# KiCad board analog_i.kicad_pcb (continued)
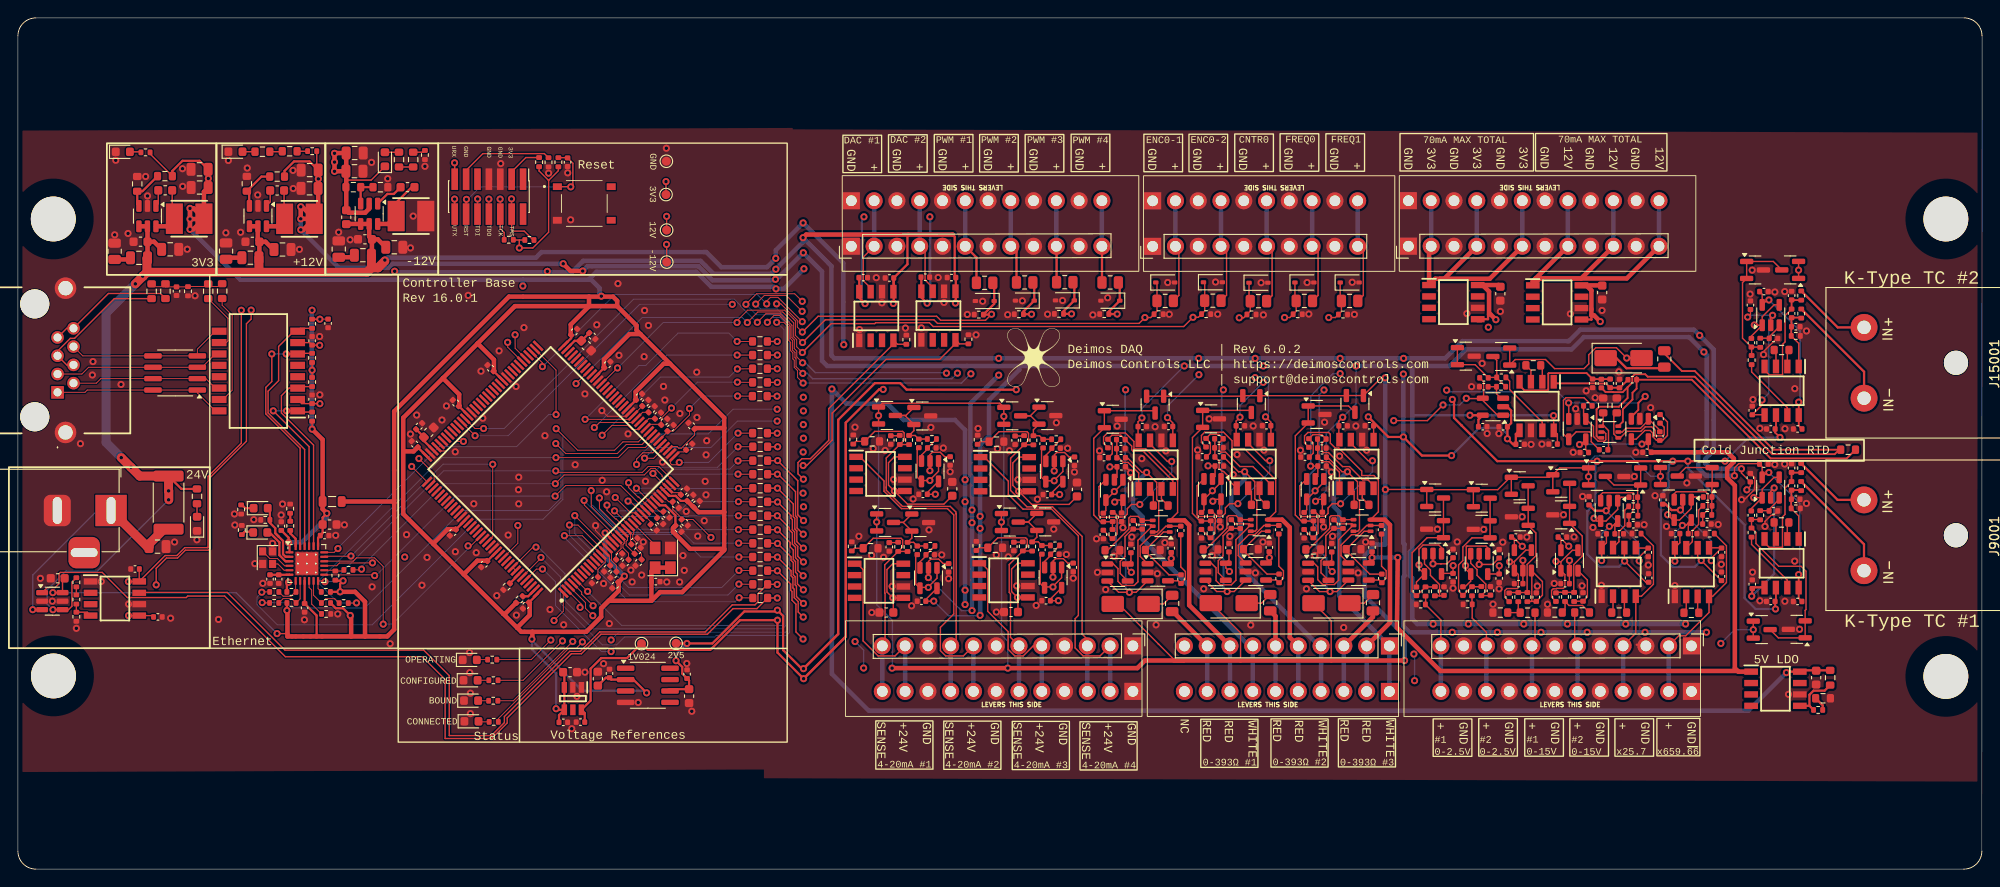
[diagram p0: board, top side]
## Routing (per net, layer and track width the routed paths; a pad name or vN(x,y) marks a point on that pad's centre or on a via; arc(x,y) is an arc through that point) (continued)
  Bottom w0.1: v1(80.37,36.38) 75.35,36.38 74.18,37.56 67.11,37.56 63.93,40.74 v1(63.93,42.24)
/base/Micro/AIN5_Filt: length 27.3
  Top w0.1: R6004.2 v1(80.35,37.88) 80.37,37.88 ; C6004.1 67.82,36.14 67.82,36.58 67.96,36.72 67.96,37.13 IC6001.20 64.85,40.24 v1(64.84,41.42) 64.85,41.41
  Bottom w0.1: v1(80.35,37.88) 74.57,37.88 74.53,37.93 67.03,37.93 64.84,40.13 v1(64.84,41.42)
/base/Micro/AIN6_Filt: length 22.7
  Top w0.1: R6005.2 v1(80.35,39.43) 80.37,39.43 ; C6005.1 68.32,36.34 68.32,37.48 IC6001.21 67.88,37.92 66.72,39.08 66.63,39.08 65.69,40.03 v1(65.69,40.62)
  Bottom w0.1: v1(65.69,40.62) 65.69,40 66.31,39.37 74.75,39.37 74.81,39.43 v1(80.35,39.43)
/base/Micro/AIN7_Filt: length 22.7
  Top w0.1: 66.54,39.96 66.52,39.98 v1(66.53,39.98) 66.53,39.97 68.23,38.27 IC6001.22 68.67,37.83 68.67,37.43 68.57,37.33 68.57,36.83 68.92,36.47 68.92,35.77 69.54,35.15 C6006.1 ; 80.35,40.98 v1(80.35,41.01) R6006.2
  Bottom w0.1: 66.53,39.93 v1(66.53,39.98) 73.81,39.98 74.83,41.01 v1(80.35,41.01) 80.34,41
/base/Micro/AIN8_Filt: length 18.6
  Top w0.1: 80.35,42.51 v1(80.35,42.48) R6009.2 ; C6009.1 70.56,38.78 IC6001.26 69.64,39.68 68.25,41.07 v1(68.04,41.07) 68.05,41.07
  Bottom w0.1: v1(68.04,41.07) 68.37,40.74 69.82,40.74 71.15,42.08 71.61,42.08 72.01,42.48 v1(80.35,42.48)
/base/Micro/AIN9_Filt: length 21.4
  Top w0.1: 68.11,43.11 v1(68.1,43.12) 68.11,42.57 69.15,41.52 69.24,41.52 69.24,41.51 IC6001.28 71.28,39.47 C6010.1 ; 80.32,44.08 80.3,44.11 v1(80.3,44.08) 80.32,44.08 ; 80.32,44.08 80.33,44.07 R6010.2
  Bottom w0.1: v1(80.3,44.08) 72.62,44.08 70.49,41.95 68.74,41.95 68.1,42.59 v1(68.1,43.12) 68.1,42.58
/base/Micro/AIN10_Filt: length 18.4
  Top w0.1: 68.97,42.49 70.71,40.75 IC6001.29 71.55,39.9 C6011.1 ; 68.97,42.49 v1(68.97,42.5) 68.96,42.5 68.97,42.49 ; R6011.2 v1(80.3,45.56) 80.3,45.58
  Bottom w0.1: v1(80.3,45.56) 79.38,44.64 72.9,44.64 70.76,42.5 v1(68.97,42.5)
/base/Micro/AIN11_Filt: length 16.5
  Top w0.1: R6012.2 v1(80.3,47.13) 80.32,47.13 ; 70.83,44.15 v1(70.82,44.16) 72.47,42.51 IC6001.34 72.98,42.01 73.71,42.01 C6012.1
  Bottom w0.1: v1(70.82,44.16) 71.5,44.84 78,44.84 v1(80.3,47.13)
/base/Micro/AIN12_Filt: length 13.4
  Top w0.1: R6013.2 v1(80.3,48.66) 80.32,48.66 ; C6013.1 74.29,46.56 73.72,46.56 IC6001.37 72.75,45.59 72.75,45.29 72.92,45.12 73.51,45.12 73.75,45.36 v1(73.75,45.39) 73.78,45.39 73.76,45.37
  Bottom w0.1: v1(73.75,45.39) 77.03,45.39 v1(80.3,48.66)
/base/Micro/AIN15_Filt: length 13
  Top w0.1: v1(74.88,51.4) 74.88,50.68 73.09,48.88 C6016.1 72.44,48.81 IC6001.42 ; 80.26,52.79 v1(80.25,52.8) R6016.2
  Bottom w0.1: v1(74.88,51.4) 76.28,52.8 v1(80.25,52.8)
/base/Micro/AIN16_Filt: length 14.6
  Top w0.1: R6017.2 v1(80.22,54.35) 80.22,54.32 ; IC6001.46 70.44,49.64 71.67,49.64 C6017.1 71.74,50.32 72.87,51.45 v1(72.88,51.45)
  Bottom w0.1: v1(80.22,54.35) 75.77,54.35 v1(72.88,51.45)
/base/Micro/AIN17_Filt: length 26.9
  Top w0.1: 65.16,48.41 65.15,48.4 v1(65.15,48.42) 66.23,49.5 68.03,49.5 68.48,49.05 69.14,49.05 IC6001.47 70.36,50.27 C6018.1 ; R6018.2 v1(80.22,55.82) 80.25,55.85
  Bottom w0.1: v1(80.22,55.82) 79.32,54.92 71.64,54.92 v1(65.15,48.42)
/base/Micro/AIN18_Filt: length 27.8
  Top w0.1: 80.22,57.37 v1(80.2,57.37) R6019.2 ; 64.29,49.27 64.28,49.26 v1(64.28,49.28) 64.3,49.28 64.85,49.84 68.51,49.84 IC6001.49 69.65,50.98 C6019.1
  Bottom w0.1: v1(64.28,49.28) 72.36,57.37 v1(80.2,57.37)
/base/Micro/AIN19_Filt: length 30.1
  Top w0.1: 63.26,50.19 v1(63.25,50.2) 65.38,50.2 68.16,50.2 IC6001.50 68.59,50.65 C6020.1 ; R6020.2 80.18,58.89 80.15,58.9 80.17,58.89 80.18,58.89
  Bottom w0.1: v1(63.25,50.2) 69.26,56.21 70.01,56.21 73.62,59.83 79.27,59.83 v1(80.2,58.9)
/base/Micro/DEBUG_RESET: length 101.2
  Top w0.1: 61.62,76.16 61.64,76.14 v1(61.65,76.14) 61.65,76.13 61.63,76.15 ; 66.63,41.46 66.61,41.48 v1(66.61,41.47) 66.62,41.47 68.33,39.76 68.86,39.76 IC6001.25 ; U7001.15 35.53,33.85 35.84,34.16 v1(39.54,34.18) 39.56,34.16 ; 49.94,72.17 49.81,72.3 ; v1(43.14,34.83) 43.13,34.75
  Top w0.15: J6001.12 49.98,74.71 v1(50.02,74.75) ; S6001.A1 61.63,76.16 v1(61.65,76.14) 61.88,76.38 61.88,78.78 C6027.2 61.26,79.4 R6028.2
  In2.Cu w0.1: v1(50.02,74.75) 50.02,66.94 52.04,64.92 52.04,63.95 61.69,54.3 61.69,47.64 66.61,42.72 v1(66.61,41.47) 66.61,41.93 65.74,42.79 62,42.79 55.84,36.63 44.94,36.63 v1(43.14,34.83) 40.19,34.83 v1(39.54,34.18)
  Bottom w0.1: v1(61.65,76.14) 51.54,76.14 50.15,74.75 v1(50.02,74.75) 50.02,74.62
/base/Micro/DEBUG_TCK/SWCLK: length 60.8
  Top w0.1: v1(53.77,74.78) 53.79,74.76 J6001.6 ; 43.92,44.92 43.91,44.94 v1(43.91,44.93) 43.91,44.93 IC6001.109
  Top w0.15: J6001.6 53.79,71.48 54.22,71.05 54.22,70.05
  In2.Cu w0.1: v1(53.77,74.78) 53.77,75.12 49.03,79.85 47.71,79.85 46.98,79.12 46.98,63.83 49.59,61.22 49.59,59.02 53.06,55.55 53.06,48.85 51.32,47.12 45.24,47.12 43.91,45.79 v1(43.91,44.93)
/base/Micro/DEBUG_TDI: length 60.8
  Top w0.1: v1(51.27,74.79) 51.25,74.77 J6001.10 ; 51.39,72.47 51.39,72.49 51.37,72.49 ; IC6001.110 46.41,43.3 46.41,44.12 v1(44.72,45.82)
  In2.Cu w0.1: v1(44.72,45.82) 44.92,46.02 53.09,46.02 53.53,46.45 53.53,55.6 50.05,59.08 50.05,61.46 47.35,64.16 47.35,79.21 47.79,79.65 48.95,79.65 53.2,75.4 53.2,74.68 52.74,74.23 51.83,74.23 v1(51.27,74.79)
/base/Micro/DEBUG_TDO/SWO: length 57.7
  Top w0.1: v1(52.52,74.78) J6001.8 ; IC6001.133 55.75,36.37 v1(55.75,38.35)
  In2.Cu w0.1: v1(55.75,38.35) 53.88,40.22 53.88,55.81 50.44,59.25 50.44,61.84 47.55,64.73 47.55,79.12 47.8,79.38 48.92,79.38 52.52,75.78 v1(52.52,74.78)
/base/Micro/DEBUG_TMS/SWDIO: length 58.4
  Top w0.1: v1(55.04,74.8) 55.04,74.65 55.06,74.64 J6001.4 ; 55.31,72.38 55.31,73.05 54.91,73.45 54.9,73.45 54.9,73.46 ; IC6001.105 47.11,46.66 47.75,46.66 48.82,47.73 v1(49.68,47.73)
  Top w0.15: 57.56,70.1 56.46,71.2 55.14,71.2 55.06,71.29 J6001.4
  Top w0.25: 55.06,74.79 v1(55.04,74.8)
  In2.Cu w0.1: v1(49.68,47.73) 51.32,47.73 52.7,49.11 52.7,55.43 49.26,58.87 49.26,60.85 46.77,63.34 46.77,79.21 47.61,80.05 49.79,80.05 v1(55.04,74.8)
/base/Micro/Ethernet/RX+: length 28
  Top w0.15: U7001.23 31.47,46.98 27.64,50.8 27.64,53.76 28.31,54.43 v1(28.31,57.5) ; 29.73,57.49 29.74,57.49 v1(29.92,57.49) T7001.6 31.26,57.56 R7013.1
  Bottom w0.15: v1(28.31,57.5) 28.31,57.49 v1(29.92,57.49)
/base/Micro/Ethernet/RX-: length 29
  Top w0.15: U7001.22 31.97,46.83 27.89,50.91 27.89,53.34 29.07,54.52 29.07,58.33 30.77,60.03 T7001.8 31.51,60.35 R7011.1
/base/Micro/Ethernet/TX+: length 21.2
  Top w0.15: v1(29.96,51.15) 29.96,51.14 T7001.1 31.32,51.01 R7018.1 ; U7001.21 32.47,47.15 v1(28.47,51.15)
  Bottom w0.15: v1(29.96,51.15) v1(28.47,51.15)
/base/Micro/Ethernet/TX-: length 22.1
  Top w0.15: U7001.20 32.97,47.32 29.38,50.91 29.38,52.84 30.23,53.68 T7001.3 31.36,53.85 R7016.1
/base/Micro/HSECLK: length 3.8
  Top w0.1: Y6001.3 71.06,36.15 IC6001.23 68.63,38.62
/base/Micro/LED0: length 22
  Top w0.1: R6023.2 53.57,16.79 61.41,24.63 62.24,24.63 62.9,25.28 ; 64.16,29.38 64.15,29.39 v1(64.14,29.39) 64.14,29.4 62.87,30.67 62.87,30.91 IC6001.4
  In1.Cu w0.1: 62.78,25.36 62.9,25.28 64.83,27.41 64.83,28.7 v1(64.14,29.39)
  vias: v1(62.95,25.35)
/base/Micro/LED1: length 19.4
  Top w0.1: R6025.2 55.25,18.79 v1(61.87,25.4) ; 64.12,28.27 v1(64.11,28.28) 63.29,29.1 63.29,29.74 61.95,31.08 61.95,31.12 IC6001.3
  In1.Cu w0.1: 61.81,25.42 61.79,25.4 v1(61.87,25.4) 61.87,25.48 64.11,27.72 v1(64.11,28.28)
/base/Micro/LED2: length 16.4
  Top w0.1: R6026.2 56.34,21.07 v1(60.73,25.46) ; IC6001.2 61.2,31.2 62.81,29.59 v1(62.69,29.21) 62.81,29.21
  In1.Cu w0.1: v1(62.69,29.21) 62.69,27.44 60.73,25.48 v1(60.73,25.46) 60.71,25.46
/base/Micro/LED3: length 12.9
  Top w0.1: v1(59.78,27.74) 60.81,28.77 IC6001.1 ; v1(59.43,25.56) 57.24,23.38 R6027.2
  In1.Cu w0.1: v1(59.78,27.74) 59.43,27.39 v1(59.43,25.56) 59.43,25.52 59.45,25.54
/base/Micro/RMII_CRS_DV: length 50.4
  Top w0.1: v1(60,45.92) 66.94,45.92 68.07,47.05 69.97,47.05 IC6001.43 ; v1(37.76,29.71) 37.73,29.69 R7005.1
  Bottom w0.1: 37.77,29.7 v1(37.76,29.71) 35.75,29.7 33.68,31.77 33.68,32.3 47.29,45.92 v1(60,45.92)
/base/Micro/RMII_MDC: length 41.4
  Top w0.1: 40,32.84 34.17,32.84 U7001.13 ; IC6001.27 67.24,42.8 61.08,42.8 v1(59.91,41.63)
  Bottom w0.1: v1(39.78,32.76) 39.92,32.76 48.8,41.63 v1(59.91,41.63)
/base/Micro/RMII_MDIO: length 47.3
  Top w0.1: IC6001.36 71.47,44.93 70.29,44.93 69.64,44.28 60.14,44.28 v1(59.98,44.44) ; R7008.1 33.47,31.3 U7001.12 34.14,32.17 v1(34.24,32.07)
  Bottom w0.1: 34.2,32.11 v1(34.24,32.07) 35.13,32.11 47.46,44.44 v1(59.98,44.44)
/base/Micro/RMII_REF_CLK: length 41.2
  Top w0.1: v1(59.93,43.01) 60.91,43.99 69.85,43.99 70.58,44.72 71.06,44.72 71.83,43.95 71.83,43.84 72.8,42.86 IC6001.35 ; R7007.2 38.24,33.4 v1(38.32,33.47)
  Bottom w0.1: v1(59.93,43.01) 47.58,43.01 38.33,33.76 v1(38.32,33.47) 38.33,33.46
/base/Micro/RMII_RXD0: length 57.9
  Top w0.1: v1(27.24,29.74) 27.27,29.71 R7001.2 ; v1(59.98,47.49) 61.09,46.38 66.84,46.38 67.84,47.38 69.59,47.38 IC6001.44
  Bottom w0.1: v1(59.98,47.49) 60.56,46.91 60.56,41.4 59.17,40.01 49.54,40.01 38.68,29.15 30.5,29.15 29.93,29.72 v1(27.24,29.74) 27.25,29.72
/base/Micro/RMII_RXD1: length 63.8
  Top w0.1: R7003.2 27.23,30.94 v1(27.2,30.9) ; v1(60.02,49.15) 62.42,46.75 66.54,46.75 67.47,47.68 69.18,47.68 IC6001.45
  Bottom w0.1: 27.21,30.89 27.22,30.9 v1(27.2,30.9) 27.2,30.88 26.67,30.35 26.67,29.52 28.92,27.27 39.51,27.27 51.29,39.04 58.56,39.04 60.77,41.25 60.77,48.4 v1(60.02,49.15)
/base/Micro/RMII_TX_EN: length 28.8
  Top w0.1: 50.21,36.06 v1(50.2,36.07) 50.49,36.06 IC6001.126 ; U7001.16 34.18,34.37 37.39,34.37 37.75,34.74 39.77,34.74 40.73,33.78 v1(40.73,27.34) 40.73,27.32
  Bottom w0.1: v1(40.73,27.34) 41.77,27.34 50.2,35.77 v1(50.2,36.07)
/base/Micro/RMII_TXD0: length 32
  Top w0.1: v1(52.95,45.18) 52.95,37.1 IC6001.128 ; U7001.17 34.22,34.92 37.12,34.92 v1(37.14,34.94)
  Bottom w0.1: 37.16,34.93 47.42,45.19 52.94,45.19 v1(52.95,45.18)
/base/Micro/RMII_TXD1: length 40.6
  Top w0.1: IC6001.74 60.01,55.69 v1(60.01,50.73) ; U7001.18 35.27,35.35 v1(35.69,35.77)
  Bottom w0.1: v1(60.01,50.73) 59.19,50.73 55.61,47.15 46.99,47.15 35.69,35.85 v1(35.69,35.77)
/base/Micro/UART_RX: length 27.6
  Top w0.1: 54.62,58.78 v1(54.61,58.79) 54.62,58.25 IC6001.78
  Top w0.15: v1(48.69,78.83) 48.71,78.81 J6001.13
  In2.Cu w0.1: v1(54.61,58.79) 48.14,65.26 48.14,78.28 v1(48.69,78.83)
/base/Micro/UART_TX: length 22.9
  Top w0.1: 48.94,72.17 48.91,72.2 ; 55.45,59.62 v1(55.44,59.63) 55.45,58.13 IC6001.77
  Top w0.15: J6001.14 48.71,74.76 v1(48.69,74.78)
  In2.Cu w0.1: v1(48.69,74.78) 48.69,66.38 v1(55.44,59.63)
  Bottom w0.1: v1(48.69,74.78) 48.54,74.74
Net-(C7012-Pad1): length 7.6
  Top w0.1: 15.23,65 16.44,65 16.45,65.01 16.48,64.98 C7012.1 18.94,64.98 R7024.1 18.98,65.02 22.77,65.02
Net-(C10004-Pad2): length 1.8
  Top w0.5: R10003.1 12.37,68.04 C10004.2
Net-(C11001-Pad1): length 1
  Top w0.15: R11001.1 98.12,36.44 C11001.1
  Top w0.25: 98.15,36.47 R11001.1
Net-(C11003-Pad2): length 1.9
  Top w0.5: 24.98,68.24 23.42,68.24 23.21,68.02
Net-(C14001-Pad1): length 1
  Top w0.15: C14001.1 98.29,48.37 R14001.1
  Top w0.25: 98.32,48.4 R14001.1
Net-(C14003-Pad2): length 1.8
  Top w0.5: R14003.1 37.29,68.29 C14003.2
Net-(C18001-Pad1): length 1
  Top w0.15: C18001.1 112.02,36.49 R18001.1
  Top w0.25: 112.05,36.52 R18001.1
Net-(C22001-Pad1): length 1
  Top w0.15: C22001.1 112.16,48.34 R22001.1
  Top w0.25: 112.19,48.37 R22001.1
Net-(D4001-K): length 7.1
  Top w0.25: R4003.1 183.47,55.91 179.37,55.91 178.24,57.03 D4001.1
Net-(D5001-K): length 3
  Top w0.15: D5001.1 127.74,29.6 R5003.1
Net-(D6001-A): length 1.2
  Top w0.1: R6023.1 51.42,16.43 D6001.2
Net-(D6002-A): length 1.2
  Top w0.1: D6002.2 51.33,18.79 R6025.1
Net-(D6003-A): length 1.3
  Top w0.1: R6026.1 D6003.2
Net-(D6004-A): length 1.2
  Top w0.1: R6027.1 51.2,23.38 D6004.2
Net-(D7001-A): length 7.1
  Top w0.25: U7001.2 29.84,34.85 29.56,35.13 29.56,36.62 29.08,37.1 ; D7001.2 28.1,40.04 R7012.1 28.1,38.64 28.7,38.04 28.7,37.49 29.08,37.1 ; 29.08,37.1 28.8,37.38
Net-(D7001-K): length 1.5
  Top w0.25: 24.98,40.65 25.35,40.28 D7001.1
Net-(D7002-A): length 4.6
  Top w0.25: U7001.3 29.84,34.35 29.16,35.04 29.16,36.47 28.06,37.57 D7002.2
Net-(D7002-K): length 1.4
  Top w0.25: 26.25,37.65 25.29,37.65 R7019.1
Net-(D12001-A): length 1.4
  Top w0.15: R12001.1 19.97,39.33
Net-(D12002-A): length 1.6
  Top w0.15: R12004.1 42.49,80.01 D12002.2
Net-(D12003-A): length 1.4
  Top w0.15: D12003.2 R12007.1
Net-(D12004-A): length 1.3
  Top w0.15: D12004.2 13.66,80.05 R12008.1
Net-(D13001-K): length 3
  Top w0.15: R13003.1 138.68,29.68 D13001.1
Net-(D17001-K): length 3
  Top w0.15: D17001.1 150.14,29.68 R17003.1
Net-(IC3001-VO): length 37.5
  Top w0.5: 157.6,69.52 157.36,69.28 IC3001.1 ; IC3001.1 158.06,65.89 158.58,65.89 ; IC3001.1 157.3,65.25 ; 158.58,65.89 159.04,65.89 J3001.4 ; 158.58,65.89 164.12,65.89 167.76,69.52
  Bottom w0.5: 167.76,74.6 167.76,69.52 ; 157.6,74.6 157.6,69.52 ; J3001.4 J3001.4
Net-(IC3002-ADJ_/_EN): length 5.7
  Top w0.25: 199.78,18.22 199.78,19.46 200.23,19.91 201.47,19.91 R3002.1 ; 199.78,18.22 IC3002.5 ; 199.78,18.22 R3003.1
Net-(IC3003-VO): length 48
  Top w0.5: 168.93,65.61 169.24,65.93 174.32,65.93 177.92,69.52 ; 168.93,65.61 J3001.8 ; 168.93,65.61 IC3003.1 169.7,65.93 179.4,65.93 J3001.12 182.73,69.52
  Bottom w0.5: J3001.8 J3001.8 ; 177.92,74.6 177.92,69.52 ; J3001.12 J3001.12
Net-(IC4001-RG_1): length 1.9
  Top w0.15: IC4001.2 169.99,56.04 R4002.1
Net-(IC4001-RG_2): length 2.1
  Top w0.15: R4002.2 168.72,55.66 IC4001.3
Net-(IC4002--IN): length 13.4
  Top w0.15: C4006.1 174.64,52.61 172.62,52.61 172.34,52.33 172.34,48.55 IC4002.4 173.77,48.8 175.27,48.8 175.44,48.63 175.44,47.7 R4001.2
Net-(IC4002-OUT): length 6.8
  Top w0.15: U4001.2 176.89,48.78 177.07,48.6 177.07,47.92 176.9,47.76 176.22,47.76 175.69,48.28 175.69,49.43 175.57,49.55 175.52,49.55 IC4002.1 174.83,50.32 174.59,50.56 174.59,51.7
Net-(IC4003--IN): length 8
  Top w0.15: IC4003.4 180.45,47.98 181.42,48.95 182.02,48.95 182.29,48.68 182.29,48.28 182.72,47.85 C4008.1 183.4,47.85 183.94,48.39 183.94,49.91 R4007.1
Net-(IC4003-OUT): length 6
  Top w0.15: C4008.2 183.09,48.98 IC4003.1 181.81,50.08 180.94,49.2 179.32,49.2 178.89,48.78 U4001.5
Net-(IC5001-RG_1): length 2
  Top w0.15: R5002.1 126.61,42.05 IC5001.2
Net-(IC5001-RG_2): length 2.2
  Top w0.15: IC5001.3 127.51,41.32 R5002.2
Net-(IC5002--IN): length 7.4
  Top w0.15: IC5002.4 129.4,32.18 R9004.2 130.18,32.37 130.18,33.22 129.67,33.73 C9007.1
Net-(IC5002-OUT): length 7.8
  Top w0.15: IC5002.1 125.15,34.9 125.15,36.07 126.32,37.24 126.98,37.24 128.01,38.27 U5001.2 128.44,38.27 C9007.2
Net-(IC5003--IN): length 7.8
  Top w0.15: IC5003.4 122.92,32.99 122.92,34.34 123.45,34.88 123.45,37.12 124.29,37.95 C9008.1 124.38,37.94 R9006.1
Net-(IC5003-OUT): length 14.8
  Top w0.15: C9008.2 124.83,38.45 126.36,38.45 U5001.5 126.47,38.27 124.9,36.7 124.9,32.07 124.48,31.65 123.13,31.65 122.67,32.11 122.67,33.53 122.14,34.05 IC5003.1
Net-(IC6001-BOOT0): length 1.5
  Top w0.25: IC6001.138 55.88,32.92 R6022.1
Net-(IC6001-PDR_ON): length 1.7
  Top w0.25: IC6001.143 56.9,30.45 R6021.2
Net-(IC6001-VCAP_1): length 3.3
  Top w0.25: C6034.2 62.84,58.96 C6035.2 62.08,58.96 IC6001.71
Net-(IC6001-VCAP_2): length 3.2
  Top w0.25: C6041.2 45.26,48.23 C6040.1 45.26,47.81 IC6001.106
Net-(IC8001-+IN): length 2.7
  Top w0.15: R8007.1 R8005.2 7.72,28.67 IC8001.4
Net-(IC9001-RG_1): length 1.9
  Top w0.15: IC9001.2 197.31,38.51 R9005.1
Net-(IC9001-RG_2): length 1.9
  Top w0.15: R9005.2 196.04,38.48 IC9001.3
Net-(IC10001-CB): length 1.9
  Top w0.15: IC10001.1 15.65,74.28 C10001.2
Net-(IC10001-FB): length 4.7
  Top w0.25: IC10001.3 13.3,74.21 R10001.1 13.88,75.66 R10002.2
Net-(IC10001-SW): length 5.7
  Top w0.15: C10001.1 17.2,72.83 L10001.2
  Top w0.5: L10001.2 16.59,71.74 IC10001.6
Net-(IC11001-CB): length 1.9
  Top w0.15: C11005.2 28.13,74.46 27.69,74.02
Net-(IC11001-FB): length 5
  Top w0.25: 25.79,74.02 25.79,75.41 R11005.1 27.15,77.29 R11004.2
Net-(IC11001-SW): length 5.6
  Top w0.15: L11001.2 29.68,72.64 C11005.1
  Top w0.5: L11001.2 28.91,71.75 27.69,71.75
Net-(IC13001-RG_1): length 2
  Top w0.15: R13002.1 137.55,42.14 IC13001.2
Net-(IC13001-RG_2): length 2.2
  Top w0.15: IC13001.3 138.45,41.4 R13002.2
Net-(IC13002--IN): length 7.4
  Top w0.15: IC13002.4 140.34,32.26 R23001.2 141.12,32.45 141.12,33.3 140.6,33.82 C23002.1
Net-(IC13002-OUT): length 7.8
  Top w0.15: C23002.2 139.38,38.36 U13001.2 138.95,38.35 137.92,37.33 137.26,37.33 136.09,36.16 136.09,34.98 IC13002.1
Net-(IC13003--IN): length 7.8
  Top w0.15: R23002.1 135.31,38.03 C23003.1 135.22,38.04 134.39,37.2 134.39,34.96 133.85,34.43 133.85,33.08 IC13003.4
Net-(IC13003-OUT): length 14.7
  Top w0.15: IC13003.1 133.08,34.14 133.6,33.61 133.6,32.2 134.07,31.73 135.31,31.73 135.82,32.24 135.82,36.76 137.41,38.35 U13001.5 137.3,38.53 135.77,38.53 C23003.2
Net-(IC14001-CB): length 3.3
  Top w0.25: C14006.1 41.91,75.35 41.2,75.35 IC14001.1
Net-(IC14001-FB): length 3.2
  Top w0.25: R14005.2 R14004.1 38.22,76.1 IC14001.3
Net-(IC14001-SW): length 7.3
  Top w0.25: L14001.1 42.18,74.38 43.9,76.11 C14006.2
  Top w0.5: 42.65,73.35 L14001.1 41.29,72 IC14001.6
Net-(IC15001-RG_1): length 1.9
  Top w0.15: IC15001.2 197.31,57.76 R15005.1
Net-(IC15001-RG_2): length 1.9
  Top w0.15: IC15001.3 196.04,57.73 R15005.2
Net-(IC17001-RG_1): length 2
  Top w0.15: IC17001.2 149,42.14 R17002.1
Net-(IC17001-RG_2): length 2.2
  Top w0.15: R17002.2 149.9,41.4 IC17001.3
Net-(IC17002--IN): length 7.4
  Top w0.15: C26002.1 152.06,33.81 152.57,33.3 152.57,32.45 R26001.2 151.79,32.26 IC17002.4
Net-(IC17002-OUT): length 7.8
  Top w0.15: IC17002.1 147.54,34.98 147.54,36.15 148.71,37.33 149.37,37.33 150.4,38.35 U17001.2 150.83,38.35 C26002.2
Net-(IC17003--IN): length 7.8
  Top w0.15: IC17003.4 145.31,33.07 145.31,34.42 145.84,34.96 145.84,37.2 146.68,38.03 C26003.1 146.77,38.02 R26002.1
Net-(IC17003-OUT): length 14.7
  Top w0.15: IC17003.1 144.53,34.13 144.94,33.72 144.94,32.3 145.49,31.76 146.8,31.76 147.29,32.25 147.29,36.78 148.86,38.35 U17001.5 148.75,38.53 147.22,38.53 C26003.2
Net-(IC36001-RG_1): length 1.9
  Top w0.15: R36001.1 186.04,28.86 IC36001.2
Net-(IC36001-RG_2): length 1.9
  Top w0.15: R36001.2 187.31,28.73 IC36001.3
Net-(IC38001-RG_1): length 1.9
  Top w0.15: IC38001.2 177.87,28.77 R38001.1
Net-(IC38001-RG_2): length 1.9
  Top w0.15: R38001.2 179.14,28.87 IC38001.3
Net-(J6001-Pin_3): length 4.6
  Top w0.15: R13007.2 56.64,79.41 55.06,77.83 J6001.3 54.99,77.07
Net-(J6001-Pin_11): length 11.1
  Top w0.15: J6001.11 49.98,77.98 51.85,79.86 58.7,79.86 R6024.2
Net-(J9001-Pin_1): length 12.9
  Top w0.25: J9001.1 205.86,36.25 R9002.2
Net-(J9001-Pin_2): length 8.7
  Top w0.25: R9001.1 202.92,41.21 J9001.2
Net-(J13001-Pad4): length 15.6
  Top w0.15: J13001.4 5.44,56.27 J13001.5 4.42,57.81 5.84,59.23 6.31,59.23 10.75,63.67 R7022.2
Net-(J13001-Pad7): length 14.3
  Top w0.15: R7023.1 15.88,64.24 10.09,64.24 J13001.8 5.44,60.35 J13001.7
Net-(J15001-Pin_1): length 12.9
  Top w0.25: 205.87,52.56 205.87,55.51 R15002.2
Net-(J15001-Pin_2): length 8.7
  Top w0.25: R15001.1 202.92,60.46 205.87,60.46
Net-(Q15001-G): length 10.9
  Top w0.15: R15006.2 164.91,54.83 R15004.1 ; R15004.1 164.01,54.88 C15007.1 162.49,56.3 Q15002.2 Q15002.1 ; R15004.1 164.91,56.78 Q15001.3
Net-(Q17001-G): length 22.5
  Top w0.15: Q17001.3 196.31,25.81 Q17002.1 Q17002.2 199.3,28.88 199.39,28.97 199.39,33.24 198.84,33.8 196.35,33.8 193.81,36.33 193.81,37.57 R17001.2 193.32,38.99 C17006.1 194.25,39.01 R17007.1
Net-(Q19001-G): length 16.4
  Top w0.15: C19002.1 193.33,58.24 R19001.2 ; C19002.1 194.26,58.27 R19002.1 ; C19002.1 192.31,59.25 192.31,65.46 Q19002.2 Q19002.1 195.75,67.82 Q19001.3
Net-(Q21001-G): length 21.2
  Top w0.15: 122.05,37.85 122.05,38.76 122.05,38.77 C21002.1 120.73,38.77 119.97,39.52 119.97,48.08 Q21002.2 Q21002.1 126.55,51.16 Q21001.3
Net-(Q24001-G): length 20.8
  Top w0.15: 132.99,37.94 132.99,38.85 132.98,38.85 C24003.1 131.82,38.85 130.97,39.7 130.97,48.16 Q24002.2 Q24002.1 137.3,51.2 Q24001.3
Net-(Q27001-G): length 21.5
  Top w0.15: Q27001.3 148.38,51.69 Q27002.1 Q27002.2 142.44,48.35 142.44,39.52 143.12,38.85 C27002.1 144.44,38.85 144.44,38.84 144.44,37.93
Net-(Q29001-G): length 9
  Top w0.15: C29002.1 113.91,48.37 R29001.2 113.24,49.04 Q29002.2 112.93,50.59 Q29001.3 112.89,50.59 Q29002.1 ; C29002.1 114.43,48.07 ; C29002.1 114.33,47.97 R29002.1 115.27,48.09 115.23,48.13
Net-(Q31001-G): length 9
  Top w0.15: C31002.1 114.19,36.12 R31002.1 115.13,36.24 115.09,36.28 ; C31002.1 114.29,36.22 ; C31002.1 113.77,36.52 R31001.2 113.62,37.04 Q31002.2 112.69,38.73 Q31001.3 112.65,38.73 Q31002.1
Net-(Q33001-G): length 8.9
  Top w0.15: C33002.1 100.05,48.4 R33001.2 99.91,48.93 Q33002.2 98.9,50.63 Q33001.3 99.02,50.63 Q33002.1 ; C33002.1 100.47,48 R33002.1 101.41,48.12 101.37,48.16 ; C33002.1 100.56,48.1
Net-(Q35001-G): length 8.9
  Top w0.15: C35002.1 100.3,36.07 R35002.1 101.24,36.19 101.2,36.23 ; C35002.1 100.39,36.17 ; C35002.1 99.88,36.47 R35001.2 99.68,36.95 Q35002.2 98.72,38.69 Q35001.3 98.74,38.69 Q35002.1
Net-(Q37001-G): length 9.6
  Top w0.15: R37002.2 188.88,41.51 C37002.1 188.9,42.89 Q37002.1 Q37002.2 185.98,44.82 Q37001.3
Net-(Q39001-G): length 9.8
  Top w0.15: Q39001.3 177.97,42.87 Q39002.1 ; Q39002.1 Q39002.2 ; Q39002.1 180.61,42.53 C39002.1 180.64,41.47 R39002.1
Net-(Q41001-G): length 15.2
  Top w0.15: C41002.1 171.56,30.89 R41002.1 173.49,30.93 173.49,33.98 174.44,34.93 174.44,37.17 Q41002.1 Q41002.2 173.02,40.58 173.03,40.59 Q41001.3
Net-(Q43001-G): length 14.7
  Top w0.15: Q43001.3 168.4,40.28 Q43002.2 Q43002.1 169.27,37.51 169.27,34.97 168.3,33.99 168.3,30.89 R43002.1 166.35,30.87 C43002.1
Net-(Q45001-G): length 16.2
  Top w0.15: R45002.1 163.17,31.52 R45001.2 162.11,31.52 C45002.1 160.65,31.03 160.65,33.95 161.13,34.43 161.13,35.94 162.15,36.97 Q45002.1 Q45002.2 164.16,41.39 Q45001.3
Net-(Q47001-G): length 16.1
  Top w0.15: Q47001.3 158.96,41.41 Q47002.2 Q47002.1 157.15,36.99 155.47,35.31 155.47,31.01 C47002.1 155.99,30.52 R47001.2 157.98,31.49 R47002.1
Net-(R3003-Pad2): length 1.6
  Top w0.25: R3004.2 201.25,18.27 R3003.2
Net-(R7014-Pad1): length 0.9
  Top w0.25: R7014.1 30.37,39.71 R7017.2
Net-(R8006-Pad2): length 0.9
  Top w0.15: R8007.2 R8006.2
Net-(R12002-Pad1): length 1.4
  Top w0.15: R12002.1 45.19,80.01 R12003.1
Net-(R12003-Pad2): length 1.6
  Top w0.15: R12004.2 R12003.2
Net-(R12005-Pad1): length 1.2
  Top w0.15: R12006.1 32.29,80.12 R12005.1
Net-(R12006-Pad2): length 1.4
  Top w0.15: R12006.2 29.43,80.07 R12007.2
Net-(T7001-CT_1): length 49.5
  Top w0.1: C7007.2 33.68,61.39 v1(33.67,61.38) ; 31.19,52.45 T7001.2
  Top w0.15: v1(33.67,61.38) 33.67,61.37 R7011.2 ; 33.66,58.47 v1(33.65,58.47) 33.65,58.48 33.64,58.48 C7011.2 32.52,58.76 T7001.7 ; T7001.2 31.65,51.95 C7010.2 33.66,51.95 v1(33.67,51.95) ; R7016.2 R7013.2 ; R7018.2 v1(32.8,49.1)
  Top w0.25: U7001.1 30.28,36.35 v1(30.19,36.44) 30.19,36.98 C7006.2 ; U7001.19 33.47,36.98 C7008.2 33.98,37.49 C7009.2 33.98,39.24 v1(34.45,39.71)
  Top w0.5: v1(32.8,49.1) 33.97,47.93 FB7001.2 33.97,40.18 v1(34.45,39.71)
  Bottom w0.15: 32.78,58.44 32.81,58.47 v1(33.65,58.47) ; v1(33.67,61.38) 32.78,61.38 ; v1(33.67,51.95) 32.78,51.95
  Bottom w0.5: v1(30.19,36.44) 30.22,36.48 31.68,36.48 34.45,39.25 v1(34.45,39.71) ; 32.78,61.38 32.78,60.37 ; 32.78,60.37 32.78,49.13 v1(32.8,49.1) ; 32.78,60.37 32.78,62.36 v1(32.8,62.38)
  vias: v1(32.8,55.68)
Net-(T7001-NC_3): length 6.7
  Top w0.1: R7020.1 23.42,61.47 23.42,58.95 23.23,58.76 T7001.10
Net-(T7001-NC_6): length 12.6
  Top w0.1: R7021.2 22.77,62.93 23.88,61.82 23.88,53.44 22.86,52.41 T7001.15
Net-(T7001-RX+): length 18.9
  Top w0.1: J13001.3 7.13,55.25 7.88,56.01 D7003.6 D7003.3 20.53,56.01 22.01,57.49 T7001.11
Net-(T7001-RX-): length 18.4
  Top w0.1: D7003.5 14.97,57.19 ; D7003.5 D7003.4 20.01,58.03 22.01,60.03 T7001.9 ; D7003.5 7.23,57.28 J13001.6
Net-(T7001-TX+): length 19.3
  Top w0.1: T7001.16 22.01,51.14 20.01,53.15 D7003.1 D7003.8 7.73,53.47 7.48,53.21 J13001.1
Net-(T7001-TX-): length 16.9
  Top w0.1: T7001.14 22.01,53.68 20.96,54.74 D7003.2 D7003.7 9.24,54.74 8.74,54.23 J13001.2
Net-(U4001-S1): length 4.8
  Top w0.15: R4006.1 176.77,49.64 U4001.1 176.89,49.43 177.37,48.95 177.37,46.87 R4001.1
Net-(U4001-S2): length 11.1
  Top w0.15: R4007.2 183.58,49.31 183.58,48.48 183.45,48.35 182.57,48.35 182.57,48.98 182.19,49.35 181.47,49.35 180.97,48.85 179.39,48.85 178.67,48.13 U4001.4 178.4,48.13 177.96,48.56 177.96,50.59 R4009.1
Net-(U5001-S1): length 8.8
  Top w0.15: R9004.1 128.35,32.84 125.72,35.47 R5006.1 127.73,37.62 U5001.1
Net-(U5001-S2): length 7.8
  Top w0.15: U5001.4 125.39,38.92 R9006.2 124.9,39.37 124.06,39.37 123.88,39.19 123.88,37.95 121.52,35.59 R5009.1
Net-(U7001-CRS_DV/MODE2): length 5.2
  Top w0.1: U7001.11 32.97,30.57 R7006.2 34.32,30.18 35.33,30.18 R7005.2
Net-(U7001-RBIAS): length 2
  Top w0.25: U7001.24 30.97,36.87 30.37,37.47 R7014.2
Net-(U7001-RXD0/MODE0): length 5
  Top w0.1: U7001.8 31.47,30.16 R7002.2 30.54,30.19 29.57,30.19 R7001.1
